# KiCad board open-TWIST_rev0.kicad_pcb (continued)
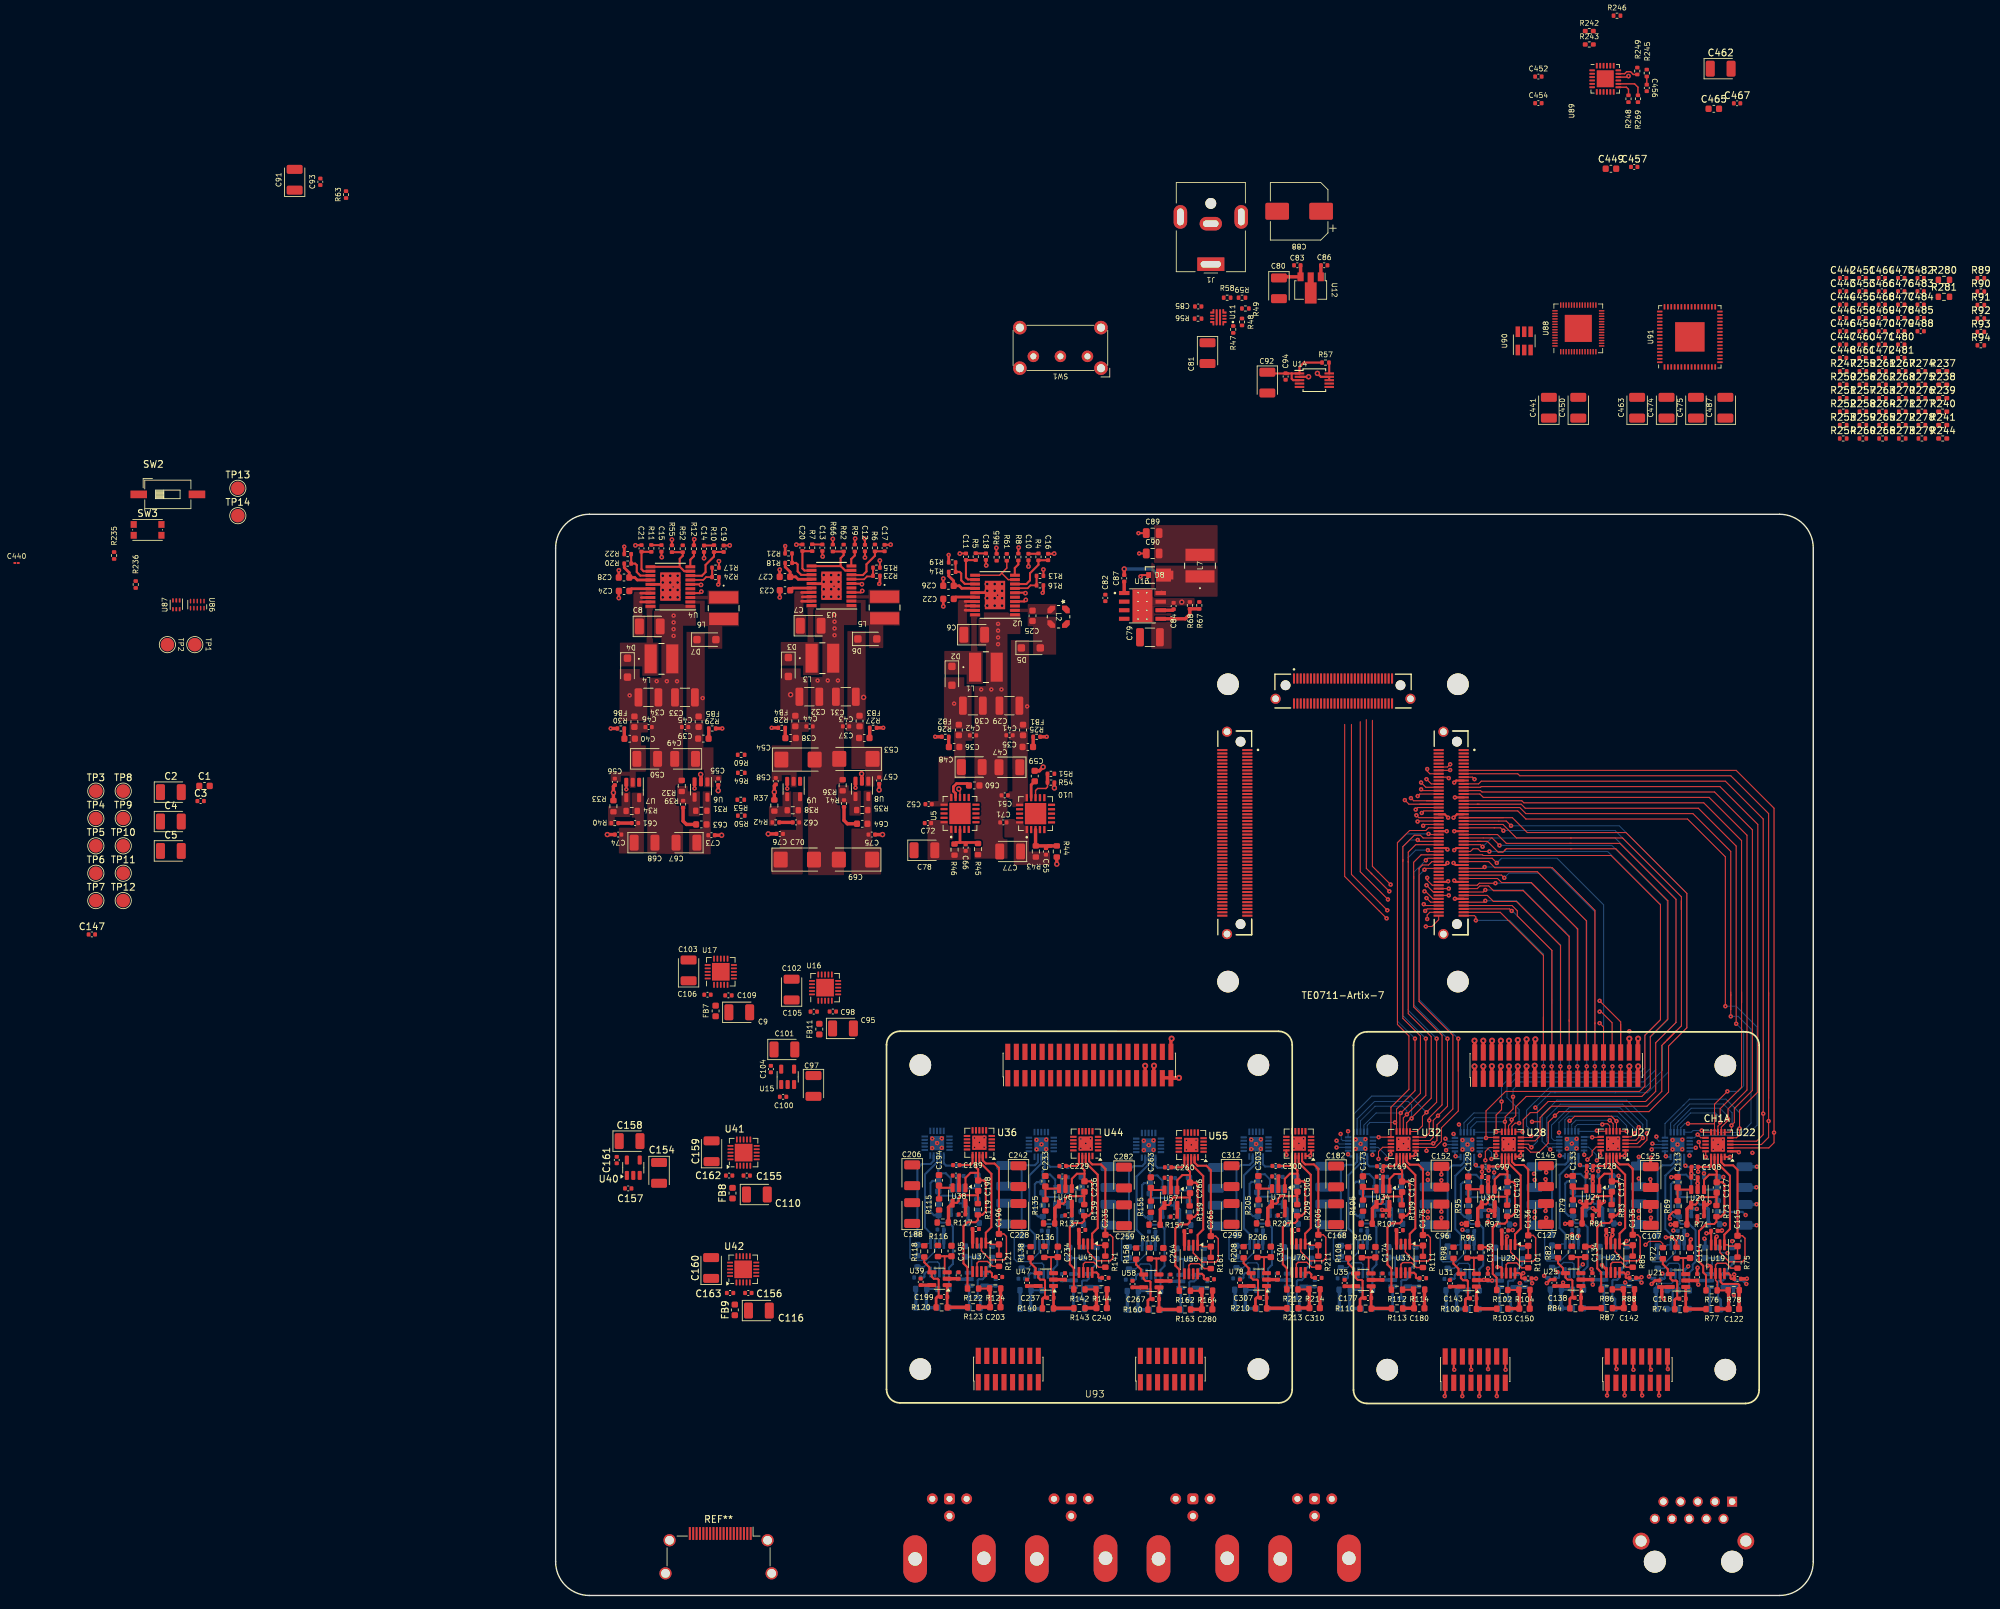
[diagram p0: board, top side]
## Routing (per net, layer and track width the routed paths; a pad name or vN(x,y) marks a point on that pad's centre or on a via; arc(x,y) is an arc through that point) (continued)
-5VA: length 102.5
  TOP SIG w0.3: 59.64,60.36 U38.2 ; 137.91,60.14 U30.2 ; 90.97,60.03 91,60 ; 91,61.79 C261.2 ; 153.38,60.23 U24.2 ; 75.4,61.99 C231.2 ; 168.88,60.09 U20.2 ; 75.38,60.23 U46.2 ; 131,60.42 v1(131,61.45) ; 168.9,61.85 C111.2 ; 137.94,61.9 C120.2 ; 106.88,60.23 U77.2 ; 170.9,53.6 170.9,53.94 ; 170.9,53.6 U19.4 ; 170.9,53.6 v1(170.2,53.6) ; 122.34,60.19 U34.2 ; 59.67,62.12 C192.2 ; 153.4,61.99 C131.2 ; 106.9,61.99 C301.2 ; 122.37,61.95 C171.2
  TOP SIG w0.4: v1(146.4,61.6) 146.46,61.54 C145.2 ; C125.2 161.96,61.54 v1(161.9,61.6)
  TOP SIG w0.5: C308.2 105.14,46.75 U78.2 ; U20.2 168.9,61 v1(168.9,61) 168.9,61 168.9,61.85 ; U29.4 139.94,54 ; U46.2 75.4,61.99 ; U76.4 108.9,54.08 ; U34.2 122.37,61.95 ; U37.4 61.67,54.21 ; U24.2 153.4,61.3 v1(153.4,61.3) 153.4,61.3 153.4,61.99 ; U45.4 77.4,54.08 ; U18.4 v2(137.2,82.1) ; C139.2 151.64,46.75 U25.2 ; 91,60 91,61.79 ; U30.2 137.94,61.16 v1(137.9,61.2) 137.94,61.24 137.94,61.9 ; 155.4,54.08 155.4,53.3 v1(155.4,53.3) 155.4,53.3 U23.4 ; U38.2 59.67,62.12 ; U31.2 136.18,46.66 137.26,46.66 v1(137.3,46.7) 137.34,46.66 C148.2 ; U56.4 93,53.88 ; U77.2 106.9,61.99 ; C200.2 57.91,46.88 U39.2 ; U35.2 120.61,46.7 C178.2 ; C238.2 73.64,46.75 U47.2 ; U21.2 167.14,46.6 C119.2 ; 90.93,46.54 89.24,46.54 U58.2 ; U33.4 124.37,54.04
  BOT SIG w0.3: 122.04,61.93 C346.2 ; 59.41,62.05 C166.2 ; 153.3,60.2 153.28,60.18 ; 122.07,60.17 U85.2 ; 74.83,61.86 C211.2 ; 168.91,61.85 C256.2 ; 106.6,61.91 106.58,61.93 ; 153.28,61.97 C286.2 ; v1(129,61.5) 128.98,61.48 C357.2 ; 59.44,60.28 U49.2 ; 137.84,61.84 C226.2 ; 90.73,59.97 U81.2 ; 168.93,60.09 U65.2 ; 90.7,61.73 C331.2 ; 74.86,60.1 74.83,60.08 ; 106.62,60.15 U73.2 ; 137.87,60.07 U61.2
  BOT SIG w0.4: C297.2 160.21,61.69 v1(160.2,61.7) ; C252.2 144.78,61.48 v1(144.8,61.5)
  BOT SIG w0.5: 166.9,53.3 166.9,53.94 ; 166.9,53.3 U64.4 ; 166.9,53.3 167.3,53.3 v1(167.36,53.35) ; v1(169,46) 168.97,46.03 C274.2 170.66,46.6 U66.2 ; U49.2 59.41,62.05 ; U72.4 104.59,54 ; U84.4 120.04,54.02 ; U61.2 137.84,61.84 ; U62.2 139.6,46.59 138.51,46.59 v1(138.5,46.6) 138.49,46.59 C248.2 ; 74.83,60.08 74.83,61.86 ; U74.2 108.35,46.66 C323.2 ; U81.2 90.7,61.73 ; v1(153.4,46) 153.34,46.06 C293.2 155.03,46.72 155.03,46.72 ; U85.2 122.04,61.93 ; U73.2 106.6,61.91 ; C353.2 123.8,46.68 123.8,46.69 ; U54.2 76.59,46.62 C218.2 ; v1(177.59,60.41) 177.55,60.37 C278.2 ; U48.4 57.41,54.14 ; 61.17,46.81 61.17,46.8 C190.2 ; U52.4 72.83,53.96 ; 153.28,60.18 153.28,61.97 ; C338.2 92.46,46.49 U82.2 ; 151.27,54.06 151.27,53.23 v1(151.3,53.2) 151.27,53.17 U68.4 ; U65.2 168.91,61.85 ; U80.4 88.7,53.83 ; U60.4 135.84,53.93
/DAC_STIM_A/1V2_buff: length 123.4
  TOP SIG w0.15: v1(161.2,51.9) 161.7,52.4 163.4,52.4 163.75,52.05 R72.1
  PWR w0.5: 42,52.4 157.1,52.4 157.75,53.05 160.05,53.05 v1(161.2,51.9)
/DAC_STIM_B/1V2_buff: length 136
  PWR w0.15: 158.39,50.71 158.4,50.7
  PWR w0.5: 42.3,50.7 171.5,50.7 173.23,52.43 v1(174.01,52.43) ; v1(158.39,52.45) 158.39,50.71
  BOT SIG w0.15: R178.1 174.05,52.39 v1(174.01,52.43) ; R188.1 158.42,52.42 v1(158.39,52.45)
GND: length 246.8
  TOP SIG w0.15: U22.15 170.1,65.7 v1(170.1,64.9) ; 174.87,65.73 v1(175,65.6)
  TOP SIG w0.3: v4(69.48,148.32) 69.41,148.4 67.91,148.4 ; D8.1 86.7,151 v1(86.5,150.8) ; C18.1 63.63,152.47 v4(63.68,152.43) ; v4(68.48,155.07) 68.43,155.03 68.43,154.19 ; 72.13,151.78 72.08,151.82 v4(72.13,151.82) 72.13,151.78 ; 72.13,151.78 72.14,151.76 R13.1 ; v3(112.66,180.85) 113.17,180.34 U14.9 U14.8 ; C12.1 45.75,156.35 v1(45.7,156.4) ; 24.15,153 v4(24.15,153.05) 24.1,153.05 24.15,153 ; 24.15,153 24.16,152.99 R17.2 ; v1(164.5,33.5) 164.44,33.56 U18.56 ; U26.150 v1(131.8,113.1) ; v4(25.75,155.4) 25.73,155.38 C19.1 ; v4(45.3,149.65) 45.23,149.72 43.73,149.72 ; v1(159.4,33.4) 159.35,33.44 U18.48 ; U14.2 111.35,180.34 v3(111.36,180.35) ; U26.140 131.5,115.6 v1(132,115.1) ; v1(158.1,29.6) 158.09,29.62 U18.45 ; R9.1 44.25,156.35 v4(44.3,156.4) ; v4(39.5,153.75) 39.45,153.8 C13.1 ; 131,57.92 v1(131,56.8) ; 69.93,153.19 v4(69.93,152.28) ; U75.15 108.07,65.23 v1(108.1,65.2) ; U26.159 133.2,110.6 v1(132.9,110.3) ; v1(162,33.4) 161.9,33.5 U18.52 ; v4(21.5,149.55) 21.42,149.62 19.92,149.62 ; v1(131.9,110.4) 131.7,110.6 U26.160 ; U29.5 139.94,48.46 139.8,48.6 v1(139.3,48.6) ; C89.1 86.21,157.21 v1(86.2,157.2) ; U18.49 160.62,29.68 v1(160.7,29.6) ; U18.44 156.81,33.59 v1(156.9,33.5) ; C90.1 v1(86.3,154.2) ; C21.1 11.83,155.43 v4(11.8,155.4) ; v1(134.1,29.5) 134.1,29.5 U18.61 ; v1(131.5,29.5) 131.56,29.56 U18.57 ; v4(35.6,155.5) 35.63,155.53 C20.1 ; 155.54,31.47 155.54,29.65 v1(155.5,29.6) ; U22.1 174.87,65.73 ; 65.18,154.19 v4(65.18,155.03) ; v1(154.5,65.1) 154.57,65.17 U27.15 ; v1(134,55) 134.03,54.97 R97.1 ; C130.1 137.83,51.54 v1(137.87,51.5) ; U26.179 133.1,105.6 v1(132.9,105.8) ; U28.15 139.11,65.11 v1(139.1,65.1) ; U18.60 132.83,33.47 v1(132.9,33.4) ; U18.72 140.45,33.45 v1(140.5,33.4) ; 47.95,153.1 v4(47.95,153.15) 47.9,153.15 47.95,153.1 ; 47.95,153.1 47.96,153.09 47.96,152.2 ; C151.1 144.99,46.91 v1(145,46.9) ; v1(132,105.7) 131.9,105.6 U26.180 ; R55.1 v4(17.2,156.25) ; U29.3 140.59,52.99 v1(140.72,53.11) ; U26.189 v1(133,103.1) ; v4(20.5,156.3) 20.45,156.25 R12.1 ; v1(132.8,108.4) 133.1,108.1 U26.169 ; v1(132.9,120.3) 133.2,120.6 U26.119 ; U27.1 158.23,65.23 v1(158.1,65.1) 158.04,65.04 U27.20 ; v4(15.7,153.65) 15.65,153.7 C15.1 ; C152.1 v1(131,62.3) ; C16.1 73.71,154.16 v4(73.73,154.18) ; 48.65,155.48 49.53,155.48 v4(49.55,155.5) ; v1(123.5,65.3) 123.54,65.34 U32.15 ; v1(131.9,108.4) 131.6,108.1 U26.170 ; C120.1 137.05,61.97 137.05,62.65 v1(137,62.7) 137.05,62.75 C99.1 ; C153.1 141.49,54.02 v1(141.55,54.08) ; U75.20 111.54,65.04 v1(111.6,65.1) 111.73,65.23 U75.1 ; v1(137.9,33.5) 137.91,33.51 U18.68 ; v1(137.9,48.4) 137.87,48.37 C148.1 ; U26.139 133.3,115.6 v1(132.8,115.1) ; v1(136.6,29.5) 136.64,29.54 U18.65 ; v1(163.2,29.6) 163.16,29.63 U18.53 ; U22.20 v1(173.7,64.9) ; U18.64 135.37,33.43 v1(135.4,33.4) ; v1(139.2,29.5) 139.18,29.52 U18.69 ; 21.95,154.42 v4(21.95,153.5) ; U32.1 v1(127.2,65.3) 126.9,65 U32.20 ; U26.129 v1(133,118.1) ; U28.1 142.77,65.27 142.7,65.2 v1(142.7,65.1) 142.6,65.1 142.45,64.95 U28.20 ; R66.1 v4(41,156.35) ; U26.149 v1(132.9,113.1)
  TOP SIG w0.4: v1(162,64.8) 161.96,64.76 C125.1 161.96,64.44 ; v4(33.15,151.8) 33.14,151.79 C27.2 ; C127.2 146.46,56.96 v1(146.4,56.9) ; v1(149.5,62.1) 149.52,62.08 C133.1 ; C132.1 153.36,55.26 v1(153.3,55.2) ; v1(146.59,46.22) 147.12,46.76 C141.1 ; v1(160.6,47.1) 160.5,47 C144.1 ; v1(149.3,55) 149.36,55.06 150.16,55.06 ; 165.66,54.92 164.92,54.92 v1(164.9,54.9) ; v3(15.85,149.9) 15.58,149.62 14.02,149.62 ; v4(57.33,150.47) 57.32,150.47 C26.2 ; v3(39.65,150) 39.38,149.72 37.83,149.72 ; C134.1 153.28,51.62 v1(153.3,51.6) ; 163.22,46.62 162.62,46.62 v1(162.1,46.1) ; C145.1 146.46,62.64 v1(146.5,62.6) ; 62.01,148.4 63.56,148.4 v3(63.83,148.68) ; C128.1 152.46,63.51 152.46,62.74 v1(152.5,62.7) 152.46,62.66 C131.1 ; C24.1 v4(9.35,147.6) ; 57.33,147.43 v4(57.33,146.38) ; 170.9,48.2 170.9,48.2 U19.5 170.9,48.7 170.8,48.8 v1(170.4,48.8) ; U23.5 155.4,48.25 v1(154.75,48.9) ; C119.1 168.83,48.43 v1(168.9,48.5) ; v1(165,61.9) 165.04,61.94 C113.1 ; C146.1 156.34,53.44 v1(156.3,53.4) 156.34,53.36 156.34,53.21 156.05,52.93 U23.3 ; C107.2 161.96,56.96 v1(161.9,56.9) ; C23.1 v4(33.15,147.7) ; v1(171.72,53.1) 171.55,52.93 U19.3 ; C114.1 167.78,52.58 v1(167.9,52.7) ; v4(9.35,151.7) 9.34,151.69 C28.2
  TOP SIG w0.5: C74.2 v3(7.65,112.6) ; v3(72.1,122.6) 71.53,122.03 C59.2 ; U18.5 v2(138.47,78.33) 138.4,78.4 ; U18.13 143.55,78.25 v2(143.6,78.3) ; C124.1 176.16,46.86 v1(176.19,46.89) ; C111.1 v1(167.96,62.47) 167.96,63.37 C108.1 ; R27.1 v1(48.45,128.4) ; R26.2 v1(56.13,127.08) ; R54.1 73.77,119.5 v3(73.77,119.5) ; v2(160.1,78.3) 160.06,78.26 U18.39 ; v2(141,82.1) 141.01,82.09 U18.10 ; U6.2 21.5,121.45 v3(21.45,121.5) ; C56.2 8.55,119.72 v3(8.55,118.8) R33.1 ; v2(144.8,78.4) 144.82,78.38 U18.15 ; v1(168.87,55.28) 168.86,55.29 C112.1 ; 47.33,112.6 v3(48.35,112.6) ; U8.2 45.3,121.55 v3(45.25,121.6) ; U93.40 91,82.3 v2(91.1,82.4) ; C55.1 v3(24.05,119.1) ; U18.9 141.01,78.29 v2(141,78.3) ; C126.1 172.45,53.96 v1(172.5,54.02) ; U18.37 158.79,78.29 v2(158.8,78.3) ; v2(135.9,78.3) 135.93,78.27 U18.1 ; 47.85,120.05 v3(47.85,119.2) ; v2(144.9,82.3) 144.82,82.22 U18.16 ; v2(138.5,82.1) 138.47,82.07 U18.6 ; v2(135.9,82.1) 135.93,82.07 U18.2 ; R37.1 v3(32.35,118.9) 32.35,119.82 C58.2 ; R28.2 v1(31.95,128.4) ; C73.1 v3(24.55,112.5) ; U93.39 92.14,76.55 v2(92.2,76.6) 89.78,76.6 U93.37 ; U18.40 160.06,82.36 v2(160.1,82.4) ; 32.57,112.7 v3(31.45,112.7) ; R29.1 v1(24.65,128.3) ; U18.14 143.55,82.25 v2(143.6,82.3) ; 74.12,109.28 v3(74.12,108.22) ; R25.1 v1(72.63,127.08) ; R30.2 v1(8.15,128.3)
  BOT SIG w0.15: U63.15 167.73,64.97
  BOT SIG w0.3: U59.15 136.67,65.13 v1(136.7,65.1) ; v1(141.9,54.9) 141.89,54.91 R167.1 ; U67.15 152.1,65.23 v1(152.13,65.21) ; U83.20 117.52,64.98 v1(117.2,65.3) 117.21,65.31 U83.1 ; U67.1 148.44,65.16 v1(148.5,65.1) 148.58,65.02 U67.20 ; C357.1 128.98,62.42 v1(129,62.4) ; U83.15 120.87,65.27 v1(120.8,65.2) ; C226.1 138.78,62.58 v1(138.8,62.6) 138.78,62.62 138.78,63.36 C225.1 ; C249.1 144.04,46.6 v1(144.42,46.22) ; v1(137.9,55.3) 137.88,55.32 C227.1 ; C344.2 128.98,56.82 v1(129,56.8) ; U59.20 133.31,64.89 133.2,65 v1(133.1,65) 133.1,65.1 133.01,65.19 U59.1 ; v1(137.87,51.5) 137.9,51.47 C244.1 ; C253.1 134.29,53.95 v1(134.12,54.12) ; U60.3 135.19,52.97 v1(135.06,53.1) ; U63.20 164.3,64.9 v1(164.2,65) 164.07,65.13 U63.1
  BOT SIG w0.4: v1(146.2,47.3) 146.52,46.98 C296.1 ; v1(160.6,46.3) 160.17,46.73 C294.1 ; v1(151.92,49) 151.27,48.35 U68.5 ; v1(144.8,56.8) 144.78,56.82 C224.2 ; R187.1 157.36,55.04 v1(157.4,55) ; U68.3 150.57,52.05 150.57,53.03 150.3,53.3 150.33,53.33 150.33,53.37 v1(150.3,53.4) 150.33,53.43 C298.1 ; 161.8,47.2 v1(161.7,47.2) 161.7,47.3 161.8,47.2 ; 161.8,47.2 162.14,46.86 C277.1 ; C284.2 160.21,56.91 v1(160.2,56.9) ; C285.1 154.21,63.49 154.21,62.81 v1(154.2,62.8) 154.21,62.79 C286.1 ; v1(153.3,51.6) 154.39,51.6 C289.1 ; U64.5 166.9,48.1 v1(167.5,48.7) ; C252.1 144.78,62.48 v1(144.7,62.4) ; 160.21,64.41 C297.1 160.21,64.89 v1(160.2,64.9) ; v1(153.2,48.3) 153.34,48.16 C293.1 ; C275.1 175.58,46.62 v1(176.1,46.1) ; v1(166.12,53.06) 166.25,52.93 U64.3 ; v1(157.2,62.1) 157.16,62.06 C288.1 ; v1(169.9,52.8) 170.03,52.67 C268.1 ; v1(165.31,54.01) 165.35,53.96 C279.1
  BOT SIG w0.5: v1(177.62,57.9) 177.58,57.86 C254.2 ; v1(177.66,63.45) 177.66,63.45 C278.1 ; v1(172.7,61.94) 172.7,61.94 C258.1 ; C255.1 169.84,63.37 v1(169.84,62.47) C256.1 ; R177.1 172.9,54.92 v1(172.91,54.93)
  vias: v1(14.95,135.3) v1(16.45,135.3) v1(17.38,149.24) v1(17.45,145) v1(17.45,144) v1(17.45,143) v1(17.45,142) v1(17.95,135.3) v1(38.75,135.4) v1(40.25,135.4) v1(41.18,149.34) v1(41.25,145.1) v1(41.25,144.1) v1(41.25,143.1) v1(41.25,142.1) v1(41.75,135.4) v1(55.69,67.61) v1(55.69,66.21) v1(56.42,66.95) v1(57.12,67.65) v1(57.11,66.24) v1(61.95,67.7) v1(61.95,66.3) v1(62.68,67.04) v1(62.93,134.07) v1(63.38,67.74) v1(63.37,66.33) v1(64.43,134.07) v1(65.36,148.02) v1(65.43,143.78) v1(65.43,142.78) v1(65.43,141.78) v1(65.43,140.78) v1(65.93,134.07) v1(71.13,67.42) v1(71.13,66.02) v1(71.86,66.76) v1(72.55,66.05) v1(72.56,67.46) v1(77.68,67.56) v1(77.68,66.16) v1(78.41,66.9) v1(79.11,67.6) v1(79.1,66.19) v1(87,67.3) v1(87,65.9) v1(87.73,66.64) v1(88.43,67.34) v1(88.42,65.93) v1(93.29,67.34) v1(93.29,65.94) v1(94.02,66.68) v1(94.72,67.38) v1(94.71,65.97) v1(102.88,67.46) v1(102.88,66.06) v1(103.61,66.8) v1(104.31,67.5) v1(104.3,66.09) v1(109.2,67.56) v1(109.2,66.16) v1(109.93,66.9) v1(110.63,67.6) v1(110.62,66.19) v1(118.33,67.49) v1(118.33,66.09) v1(119.06,66.83) v1(119.76,67.53) v1(119.75,66.12) v1(124.67,67.52) v1(124.67,66.12) v1(125.4,66.86) v1(126.1,67.56) v1(126.09,66.15) v1(134.13,67.39) v1(134.13,65.99) v1(134.86,66.73) v1(135.56,67.43) v1(135.55,66.02) v1(140.22,67.46) v1(140.22,66.06) v1(140.95,66.8) v1(141.64,66.09) v1(141.65,67.5) v1(149.57,67.53) v1(149.57,66.13) v1(150.3,66.87) v1(151,67.57) v1(150.99,66.16) v1(155.69,67.54) v1(155.69,66.14) v1(156.42,66.88) v1(157.12,67.58) v1(157.11,66.17) v1(158.8,83.5) v1(165.2,67.4) v1(165.2,66) v1(165.93,66.74) v1(166.63,67.44) v1(166.62,66.03) v1(167.7,65.1) v1(171.2,67.4) v1(171.2,66) v1(171.93,66.74) v1(172.63,67.44) v1(172.62,66.03) v1(177,65.5) v3(15.85,150.9) v3(15.85,148.8) v3(15.85,147.7) v3(16.95,150.9) v3(16.95,149.9) v3(16.95,148.8) v3(16.95,147.7) v3(18.05,150.9) v3(18.05,149.9) v3(18.05,148.8) v3(18.05,147.7) v3(39.65,151) v3(39.65,148.9) v3(39.65,147.8) v3(40.75,151) v3(40.75,150) v3(40.75,148.9) v3(40.75,147.8) v3(41.85,151) v3(41.85,150) v3(41.85,148.9) v3(41.85,147.8) v3(63.83,149.68) v3(63.83,147.57) v3(63.83,146.47) v3(64.93,149.68) v3(64.93,148.68) v3(64.93,147.57) v3(64.93,146.47) v3(66.03,149.68) v3(66.03,148.68) v3(66.03,147.57) v3(66.03,146.47) v3(92.6,147)
Vin: length 17.7
  TOP SIG w0.4: 37.83,147.78 36.48,147.78 ; 14.02,147.03 12.57,147.03 ; 37.83,147.12 36.38,147.12 ; 62.01,147.1 60.56,147.1 ; 37.83,148.43 36.38,148.43 ; 62.01,146.45 60.66,146.45 ; 62.01,145.8 60.56,145.8 ; 14.02,147.68 12.68,147.68 ; 14.02,148.32 12.57,148.32
  TOP SIG w0.5: C83.1 U12.3 107.14,195.14 C80.1
(no net): length 0.2
  PWR w0.15: 0.38,93.1 0.38,93.3
+VANH: length 1.8
  TOP SIG w0.5: U18.11 142.28,78.28 v2(142.3,78.3)
+VANL: length 1.9
  TOP SIG w0.5: U18.7 139.74,78.24 v2(139.8,78.3)
-VANH: length 1.8
  TOP SIG w0.5: v2(142.3,82.2) 142.28,82.18 U18.12
-VANL: length 1.8
  TOP SIG w0.5: v2(139.8,82.1) 139.74,82.04 U18.8
/DAC_OUT_A1: length 2.8
  TOP SIG w0.3: 65.81,45.47 65.83,45.44
  TOP SIG w0.5: C203.2 65.8,45.41 65.83,45.44
/DAC_OUT_A2: length 2.8
  TOP SIG w0.3: 81.54,45.34 R144.2
  TOP SIG w0.5: C240.2 81.53,45.28 R144.2
/DAC_OUT_A3: length 2.8
  TOP SIG w0.3: 97.14,45.14 R164.2
  TOP SIG w0.5: C280.2 97.13,45.08 R164.2
/DAC_OUT_A4: length 2.8
  TOP SIG w0.3: 113.04,45.34 R214.2
  TOP SIG w0.5: R214.2 113.03,45.28 C310.2
/DAC_OUT_A5: length 2.8
  TOP SIG w0.3: 128.51,45.29 128.53,45.27
  TOP SIG w0.5: 128.53,45.27 128.5,45.24 C180.2
/DAC_OUT_A6: length 2.8
  TOP SIG w0.3: 144.08,45.25 R104.2
  TOP SIG w0.5: C150.2 144.07,45.19 R104.2
/DAC_OUT_A7: length 2.8
  TOP SIG w0.3: 159.54,45.34 R88.2
  TOP SIG w0.5: C142.2 159.53,45.28 R88.2
/DAC_OUT_B1: length 2.8
  BOT SIG w0.3: 53.27,45.4 53.25,45.37
  BOT SIG w0.5: 53.25,45.37 53.28,45.34 C197.2
/DAC_OUT_B2: length 2.8
  BOT SIG w0.3: 68.69,45.21 R154.2
  BOT SIG w0.5: C220.2 68.7,45.15 R154.2
/DAC_OUT_B3: length 2.8
  BOT SIG w0.3: 84.56,45.08 R224.2
  BOT SIG w0.5: R224.2 84.57,45.02 C340.2
/DAC_OUT_B4: length 2.8
  BOT SIG w0.3: 100.45,45.26 R204.2
  BOT SIG w0.5: R204.2 100.47,45.2 100.47,42.46
/DAC_OUT_B5: length 2.8
  BOT SIG w0.3: 115.9,45.28 R234.2
  BOT SIG w0.5: R234.2 115.91,45.22 C355.2
/DAC_OUT_B6: length 2.8
  BOT SIG w0.3: 131.7,45.18 R174.2
  BOT SIG w0.5: R174.2 131.71,45.12 C250.2
/DAC_OUT_B7: length 2.8
  BOT SIG w0.3: 147.13,45.31 R194.2
  BOT SIG w0.5: C295.2 147.14,45.25 R194.2
/DAC_STIM_A/CS: length 98
  TOP SIG w0.15: U28.14 138.08,66.28 137.5,65.7 v1(137.5,64.4) ; v1(121.7,64.6) 121.7,65.7 122.33,66.33 U32.14 ; U27.14 153.9,66.37 153.3,65.78 153.3,65.2 v1(152.6,64.5) ; U22.14 169.37,66.23 169.2,66.4 169.2,66.97 v1(169.07,67.1) ; U26.188 v1(132.1,103.6)
  IN1 w0.15: 107.6,63.2 120.3,63.2 v1(121.7,64.6) 123.1,63.2 134.75,63.2 135.95,64.4 v1(137.5,64.4) 138.7,63.2 139.4,63.2 ; v1(169.07,67.1) 169.22,66.95 169.22,64.7 167.52,63 154.95,63 154.43,63.52 152.6,63.52 ; 139.4,63.2 139.2,63.2 ; 139.4,63.2 151.15,63.2 151.25,63.1 151.75,63.1 152.17,63.52 152.6,63.52 ; v1(152.6,64.5) 152.6,63.52 ; 121.8,94.6 121.8,95.9 123.1,97.2 128.6,97.2 130.5,99.1 130.5,102.6 131.5,103.6 v1(132.1,103.6)
/DAC_STIM_A/OUT8: length 7.9
  TOP SIG w0.3: 175.04,45.2 R78.2 175.06,45.94 174.9,46.1 172.6,46.1 172.3,46.4 172.3,47.56 U19.7
  TOP SIG w0.5: C122.2 175.03,43.87 175,43.9 175.03,43.93 175.03,45.14 R78.2
/DAC_STIM_A/stim_channel1/Voff_DAC_scaled: length 6.3
  TOP SIG w0.4: U39.1 57.91,42.64 R120.2
  TOP SIG w0.5: R123.2 57.94,42.65 R120.2
/DAC_STIM_A/stim_channel1/Vref_DAC_scaled: length 27.2
  TOP SIG w0.3: 62.49,62.54 C198.2 63.33,61.42 63.63,61.12 63.63,56.84 63.12,56.33 R119.2 62.45,55.57 62.12,55.24 60.92,55.24 60.32,54.64 60.32,49.14 60.91,48.55 R122.2 ; 62.49,62.54 61.37,62.54 60.62,61.79 U38.1 ; 62.49,62.54 62.49,63.04 62.17,63.37 62.17,65.21
/DAC_STIM_A/stim_channel2/Voff_DAC_scaled: length 6.3
  TOP SIG w0.4: R140.2 73.64,42.51 U47.1
  TOP SIG w0.5: R143.2 73.67,42.52 R140.2
/DAC_STIM_A/stim_channel2/Vref_DAC_scaled: length 27.2
  TOP SIG w0.3: 78.22,62.41 78.22,62.91 77.89,63.24 77.89,65.08 ; 78.22,62.41 C236.2 79.06,61.29 79.36,60.99 79.36,56.71 78.85,56.2 R139.2 78.18,55.44 77.85,55.11 76.65,55.11 76.05,54.51 76.05,49.01 76.64,48.42 R142.2 ; 78.22,62.41 77.1,62.41 76.35,61.66 U46.1
/DAC_STIM_A/stim_channel3/Voff_DAC_scaled: length 6.3
  TOP SIG w0.4: U58.1 89.24,42.31 R160.2
  TOP SIG w0.5: R160.2 89.27,42.32 R163.2
/DAC_STIM_A/stim_channel3/Vref_DAC_scaled: length 27.2
  TOP SIG w0.3: 93.82,62.21 93.82,62.71 93.5,63.04 93.5,64.88 ; 93.82,62.21 92.7,62.21 91.95,61.46 91.95,60 ; 93.82,62.21 C266.2 94.66,61.09 94.96,60.79 94.96,56.51 94.45,56 R159.2 93.78,55.24 93.45,54.91 92.25,54.91 91.65,54.31 91.65,48.81 92.24,48.22 R162.2
/DAC_STIM_A/stim_channel4/Voff_DAC_scaled: length 6.3
  TOP SIG w0.4: U78.1 105.14,42.51 R210.2
  TOP SIG w0.5: R210.2 105.17,42.52 R213.2
/DAC_STIM_A/stim_channel4/Vref_DAC_scaled: length 27.2
  TOP SIG w0.3: 109.72,62.41 C306.2 110.56,61.29 110.86,60.99 110.86,56.71 110.35,56.2 R209.2 109.68,55.44 109.35,55.11 108.15,55.11 107.55,54.51 107.55,49.01 108.14,48.42 R212.2 ; 109.72,62.41 109.72,62.91 109.39,63.24 109.39,65.08 ; 109.72,62.41 108.6,62.41 107.85,61.66 U77.1
/DAC_STIM_A/stim_channel5/Voff_DAC_scaled: length 6.3
  TOP SIG w0.4: R110.2 120.61,42.47 U35.1
  TOP SIG w0.5: R113.2 120.64,42.48 R110.2
/DAC_STIM_A/stim_channel5/Vref_DAC_scaled: length 27.2
  TOP SIG w0.3: 125.19,62.37 C176.2 126.03,61.25 126.33,60.95 126.33,56.67 125.82,56.16 R109.2 125.15,55.4 124.82,55.07 123.62,55.07 123.02,54.47 123.02,48.97 123.61,48.38 R112.2 ; 125.19,62.37 125.19,62.87 124.87,63.19 124.87,65.04 ; 125.19,62.37 124.07,62.37 123.32,61.62 U34.1
/DAC_STIM_A/stim_channel6/Voff_DAC_scaled: length 6.3
  TOP SIG w0.4: R100.2 136.18,42.42 U31.1
  TOP SIG w0.5: R103.2 136.21,42.44 R100.2
/DAC_STIM_A/stim_channel6/Vref_DAC_scaled: length 27.2
  TOP SIG w0.3: 140.76,62.33 139.64,62.33 138.89,61.57 U30.1 ; 140.76,62.33 140.76,62.83 140.44,63.15 140.44,64.99 ; 140.76,62.33 140.76,61.2 141.6,61.2 141.9,60.91 141.9,56.62 141.39,56.11 R99.2 140.72,55.36 140.39,55.03 139.19,55.03 138.59,54.42 138.59,48.92 138.6,48.92 138.6,47.6 139.18,47.02 R102.2
/DAC_STIM_A/stim_channel7/Voff_DAC_scaled: length 6.3
  TOP SIG w0.4: U25.1 151.64,42.51 R84.2
  TOP SIG w0.5: R87.2 151.67,42.52 R84.2
/DAC_STIM_A/stim_channel7/Vref_DAC_scaled: length 27.2
  TOP SIG w0.3: U24.1 154.35,61.66 155.1,62.41 156.22,62.41 ; R86.2 154.64,47.81 154.05,48.4 154.05,54.51 154.65,55.11 155.85,55.11 156.18,55.44 R83.2 156.85,56.2 157.36,56.71 157.36,60.99 157.06,61.29 C137.2 156.22,62.41 ; 155.9,65.08 155.9,63.24 156.22,62.91 156.22,62.41
/DAC_STIM_A/stim_channel8/Voff_DAC_scaled: length 6.3
  TOP SIG w0.4: U21.1 167.14,42.37 R74.2
  TOP SIG w0.5: R77.2 167.17,42.38 R74.2
/DAC_STIM_A/stim_channel8/Vref_DAC_scaled: length 27.6
  TOP SIG w0.3: 171.72,62.27 171.72,62.77 171.4,63.1 171.4,64.94 ; 171.72,62.27 C117.2 172.56,61.15 172.86,60.85 172.86,56.57 172.35,56.06 R73.2 171.68,55.3 171.35,54.97 170.15,54.97 169.1,53.92 169.1,49.4 169.72,48.78 169.72,47.81 170.14,47.4 R76.2 ; 171.72,62.27 170.6,62.27 169.85,61.52 U20.1
/DAC_STIM_A/Voff_DAC8: length 142.3
  TOP SIG w0.3: R70.1 165.78,52.42 165.2,53 v1(164.2,53)
  IN1 w0.3: v1(164.2,53) 165.2,53 165.6,52.6 165.6,42.9 164.8,42.1 37.6,42.1
/DAC_STIM_A/Vref_DAC8: length 151.1
  TOP SIG w0.3: R69.1 165.27,56.77 164.7,56.2 164.7,55.86 v1(164.8,55.76)
  IN1 w0.3: v1(164.8,55.76) 167.14,55.76 168.7,54.2 168.7,49.9 168.2,49.4 168.2,41 167.6,40.4 37.4,40.4 37.3,40.5
/DAC_STIM_B/CS: length 92.2
  TOP SIG w0.15: v1(128.5,104.2) 128.65,104.2 129.75,103.1 U26.190
  IN1 w0.15: 168.2,64.4 168,64.2 154.1,64.2 ; 168.2,64.4 168.1,64.3 ; 168.2,64.4 168.62,64.82 v1(168.62,66.25) ; v1(154,64.4) 152.5,65.9 151.7,65.9 149.9,64.1 138.9,64.1 v1(138.4,64.6) 137.3,65.7 136.1,65.7 134.6,64.2 133.2,64.2 ; 133.2,64.2 132.9,64.2 ; 133.2,64.2 123.3,64.2 v1(122.9,64.6) 121.7,65.8 120.5,65.8 119,64.3 107.6,64.3 ; 120.3,101.6 120.3,104.8 121.4,105.9 124.4,105.9 126.1,104.2 v1(128.5,104.2)
  BOT SIG w0.15: U83.14 121.64,66.31 122.9,65.05 v1(122.9,64.6) ; v1(168.62,66.25) 168.62,66.28 168.6,66.3 168.53,66.23 U63.14 ; v1(138.4,64.6) 138.4,65.6 137.78,66.22 U59.14 ; U67.14 152.78,66.35 153.9,65.22 153.9,64.5 v1(154,64.4)
/DAC_STIM_B/OUT8: length 7.6
  BOT SIG w0.15: R184.2 162.74,45.74 163.2,46.2 165.1,46.2 165.6,46.7 U64.7
  BOT SIG w0.3: 162.76,45.2 R184.2
  BOT SIG w0.5: C276.2 162.77,45.14 R184.2
/DAC_STIM_B/stim_channel1/Voff_DAC_scaled: length 6.3
  BOT SIG w0.4: 61.17,45.85 61.17,42.57 R130.2
  BOT SIG w0.5: R133.2 61.14,42.58 R130.2
/DAC_STIM_B/stim_channel1/Vref_DAC_scaled: length 27.2
  BOT SIG w0.3: 56.59,62.47 57.71,62.47 58.46,61.72 U49.1 ; 56.59,62.47 C186.2 55.75,61.35 55.45,61.05 55.45,56.77 55.96,56.26 R129.2 56.63,55.5 56.96,55.17 58.16,55.17 58.76,54.57 58.76,49.07 58.17,48.48 R132.2 ; 56.59,62.47 56.59,62.97 56.92,63.3 56.92,65.14
/DAC_STIM_B/stim_channel2/Voff_DAC_scaled: length 6.3
  BOT SIG w0.4: R150.2 76.59,42.38 U54.1
  BOT SIG w0.5: R153.2 76.56,42.4 R150.2
/DAC_STIM_B/stim_channel2/Vref_DAC_scaled: length 27.2
  BOT SIG w0.3: 72.01,62.29 73.13,62.29 73.89,61.53 U53.1 ; 72.01,62.29 72.01,62.79 72.34,63.11 72.34,64.96 ; 72.01,62.29 C216.2 71.17,61.17 70.87,60.87 70.87,56.59 71.38,56.08 R149.2 72.05,55.32 72.38,54.99 73.58,54.99 74.18,54.39 74.18,48.89 73.59,48.3 R152.2
/DAC_STIM_B/stim_channel3/Voff_DAC_scaled: length 6.3
  BOT SIG w0.4: U82.1 92.46,42.25 R220.2
  BOT SIG w0.5: R223.2 92.43,42.26 R220.2
/DAC_STIM_B/stim_channel3/Vref_DAC_scaled: length 27.2
  BOT SIG w0.3: R222.2 89.46,48.16 90.05,48.75 90.05,54.25 89.45,54.85 88.25,54.85 87.92,55.18 R219.2 87.25,55.94 86.74,56.45 86.74,60.73 87.04,61.03 C336.2 87.88,62.15 ; 89.75,59.95 89.75,61.4 89,62.15 87.88,62.15 ; 87.88,62.15 87.88,62.65 88.21,62.98 88.21,64.82
/DAC_STIM_B/stim_channel4/Voff_DAC_scaled: length 6.3
  BOT SIG w0.4: R200.2 108.35,42.43 U74.1
  BOT SIG w0.5: R203.2 108.32,42.44 R200.2
/DAC_STIM_B/stim_channel4/Vref_DAC_scaled: length 27.2
  BOT SIG w0.3: U73.1 105.65,61.58 104.89,62.33 103.78,62.33 ; 103.78,62.33 103.78,62.83 104.1,63.16 104.1,65 ; 103.78,62.33 103.78,61.21 102.94,61.21 102.64,60.91 102.64,56.63 103.14,56.12 103.81,56.12 103.81,55.36 104.14,55.03 105.34,55.03 105.94,54.43 105.94,48.93 105.36,48.34 R202.2
/DAC_STIM_B/stim_channel5/Voff_DAC_scaled: length 6.3
  BOT SIG w0.4: U92.1 123.8,42.45 R230.2
  BOT SIG w0.5: R233.2 123.77,42.46 R230.2
/DAC_STIM_B/stim_channel5/Vref_DAC_scaled: length 27.2
  BOT SIG w0.3: R232.2 120.8,48.36 121.39,48.95 121.39,54.45 120.79,55.05 119.59,55.05 119.26,55.38 R229.2 118.59,56.14 118.08,56.65 118.08,60.93 118.38,61.23 C351.2 119.22,62.35 ; 119.55,65.02 119.55,63.17 119.22,62.85 119.22,62.35 ; U85.1 121.09,61.6 120.34,62.35 119.22,62.35
/DAC_STIM_B/stim_channel6/Voff_DAC_scaled: length 6.3
  BOT SIG w0.4: U62.1 139.6,42.36 R170.2
  BOT SIG w0.5: R173.2 139.57,42.37 R170.2
/DAC_STIM_B/stim_channel6/Vref_DAC_scaled: length 27.2
  BOT SIG w0.3: 135.02,62.26 135.02,62.76 135.35,63.08 135.35,64.93 ; 135.02,62.26 C246.2 134.18,61.14 133.88,60.84 133.88,56.56 134.39,56.05 R169.2 135.06,55.29 135.39,54.96 136.59,54.96 137.19,54.36 137.19,48.86 136.6,48.27 R172.2 ; 135.02,62.26 136.14,62.26 136.89,61.51 U61.1
/DAC_STIM_B/stim_channel7/Voff_DAC_scaled: length 6.3
  BOT SIG w0.4: R190.2 155.03,42.49 U70.1
  BOT SIG w0.5: R190.2 155,42.5 R193.2
/DAC_STIM_B/stim_channel7/Vref_DAC_scaled: length 27.2
  BOT SIG w0.3: 150.45,62.39 151.57,62.39 152.32,61.64 U69.1 ; 150.45,62.39 C291.2 149.61,61.27 149.31,60.97 149.31,56.69 149.82,56.18 R189.2 150.49,55.42 150.82,55.09 152.02,55.09 152.62,54.49 152.62,48.69 152.03,48.1 R192.2 ; 150.45,62.39 150.45,62.89 150.78,63.22 150.78,65.06
/DAC_STIM_B/stim_channel8/Voff_DAC_scaled: length 6.3
  BOT SIG w0.4: R180.2 170.66,42.37 U66.1
  BOT SIG w0.5: R180.2 170.63,42.38 R183.2
/DAC_STIM_B/stim_channel8/Vref_DAC_scaled: length 27.7
  BOT SIG w0.3: 166.08,62.27 C271.2 165.24,61.15 164.94,60.85 164.94,56.57 165.45,56.06 R179.2 166.12,55.3 166.45,54.97 167.65,54.97 168.11,54.51 ; 166.08,62.27 166.08,62.77 166.41,63.1 166.41,64.94 ; 166.08,62.27 167.2,62.27 167.96,61.52 167.96,60.06 ; 168.11,54.51 168.6,54.03 168.6,49.4 168.18,48.97 168.18,48.28 167.66,47.76 R182.2 ; 168.11,54.51 168.25,54.37
/DAC_STIM_B/Voff_DAC8: length 147.9
  IN1 w0.3: 37.2,39 170.2,39 172.3,41.1 172.3,49.65 v1(173.32,50.67)
  BOT SIG w0.15: R176.1 172.03,51.08 172.4,50.7 173.29,50.7 v1(173.32,50.67)